# Altium PCB PCB12_sensor.PcbDoc
Units mm, origin at the board's own origin, x right, y up, seen from the top; angles counter-clockwise.
Board outline 87.5 x 87.5 mm, 2 copper layers (Top Layer, Bottom Layer); 47 components, 37 nets, 142 pads, 50 vias.
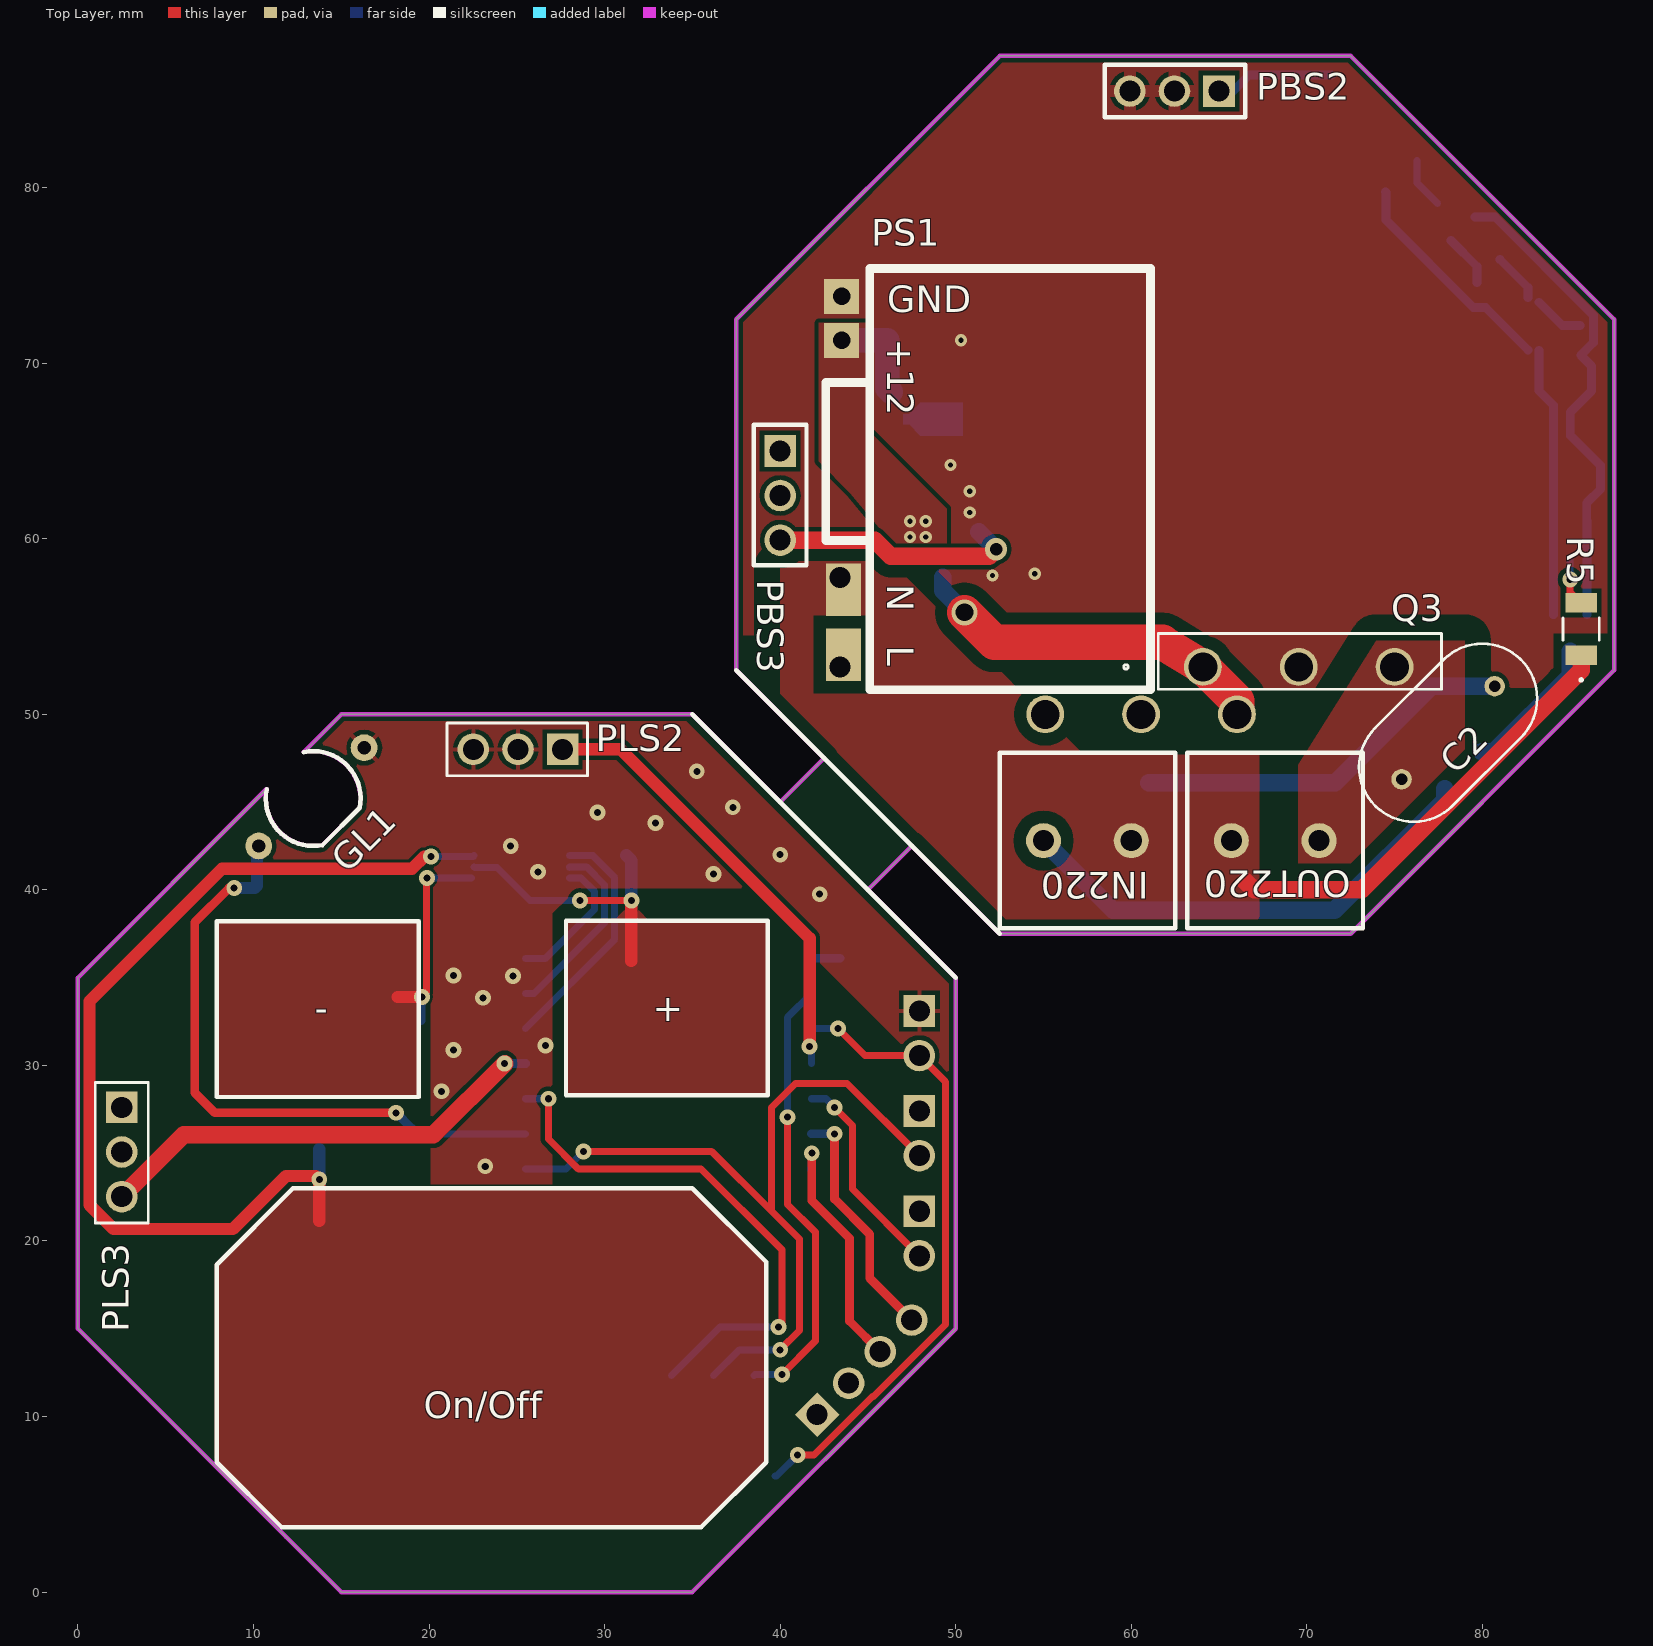
[diagram p0: Top Layer view]
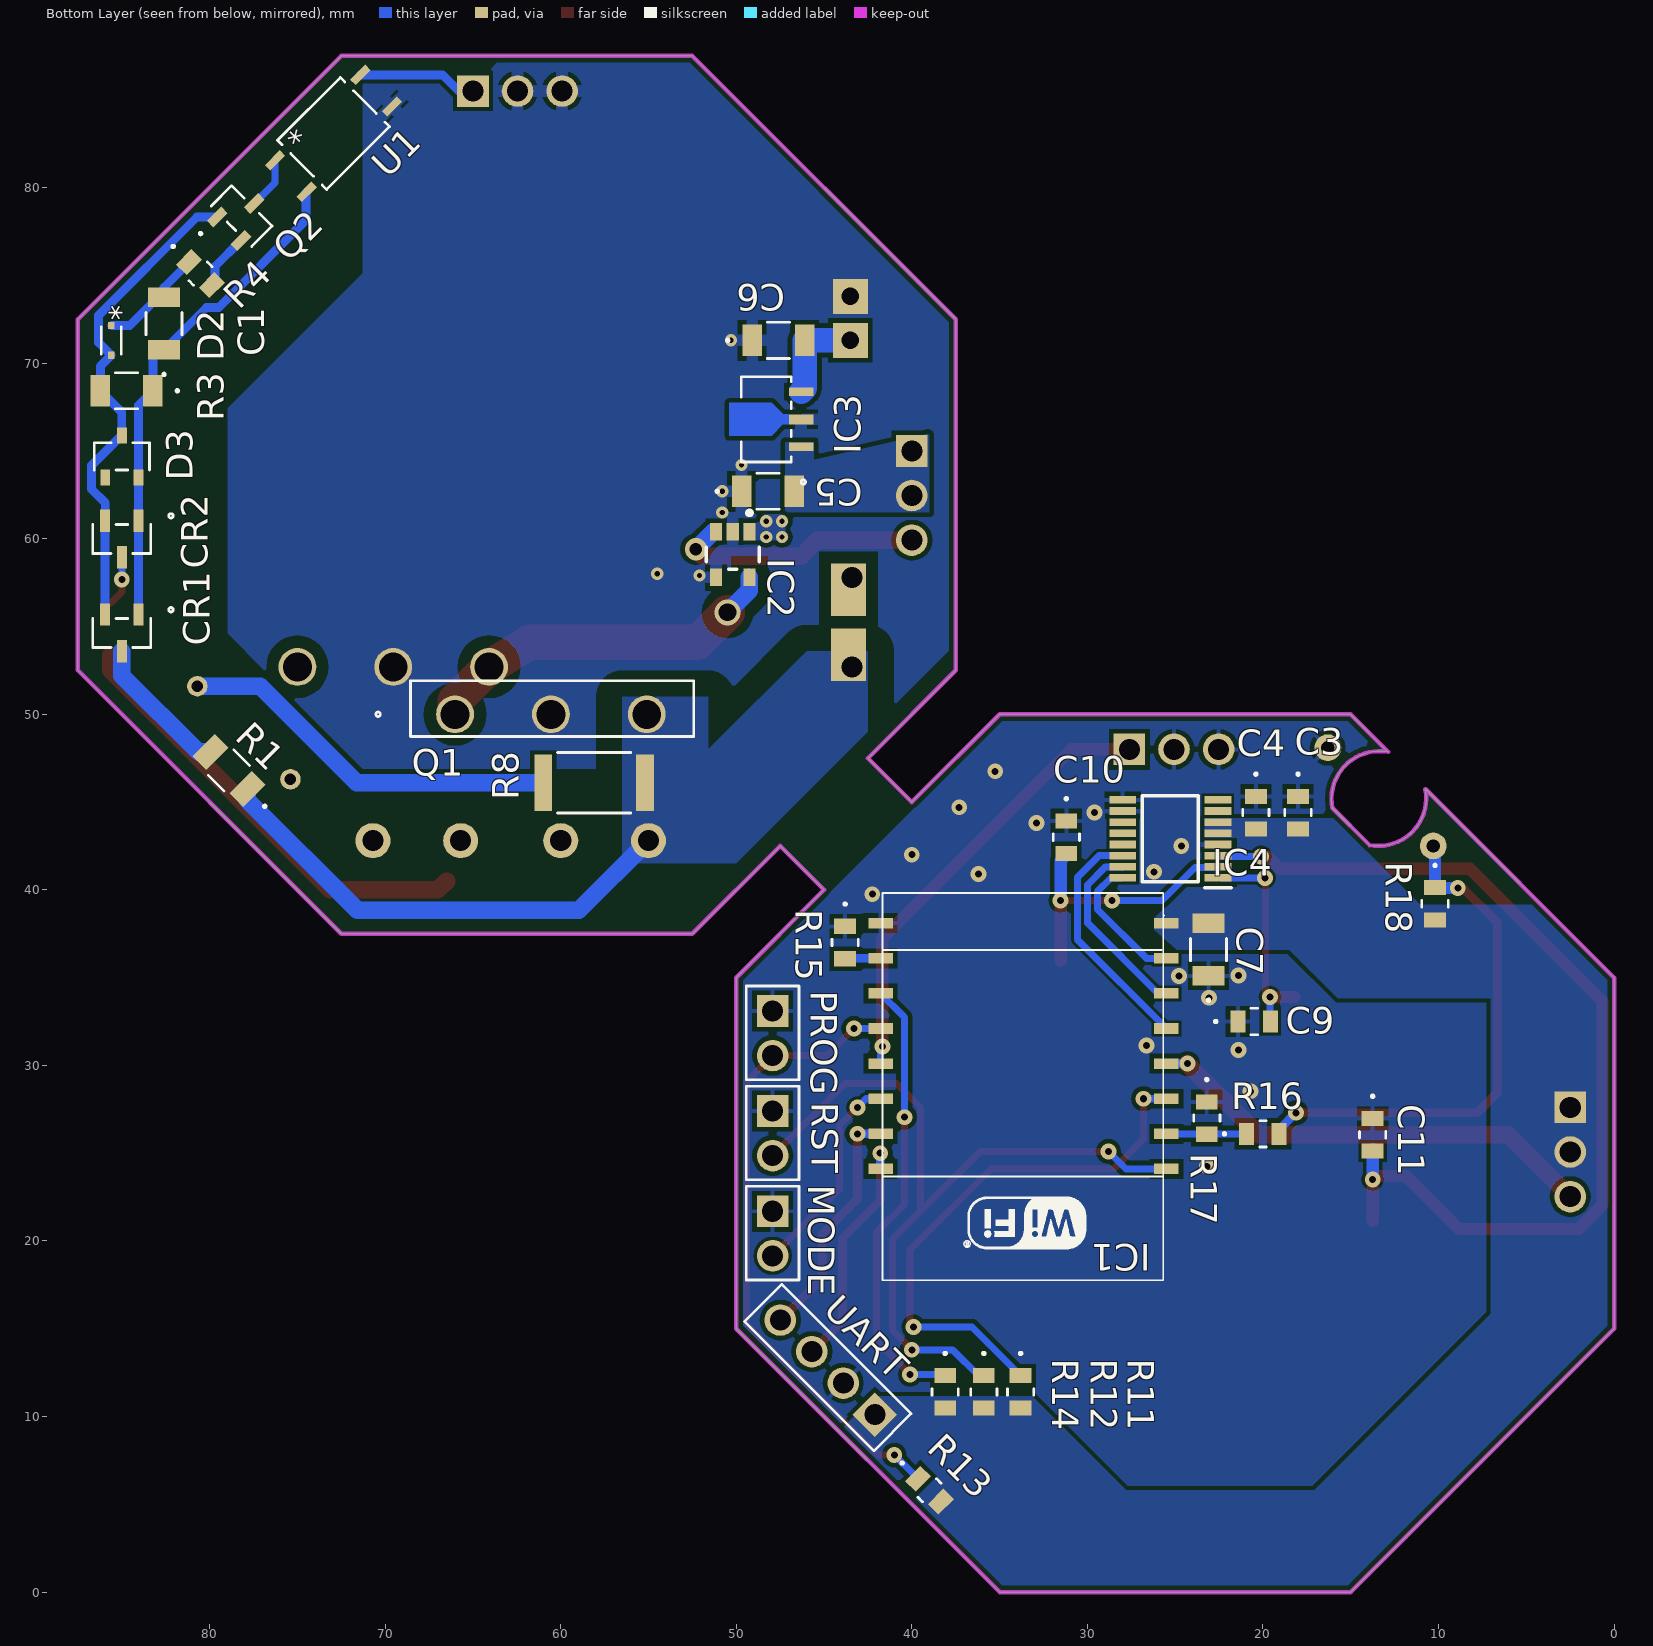
[diagram p1: Bottom Layer view, seen from below]
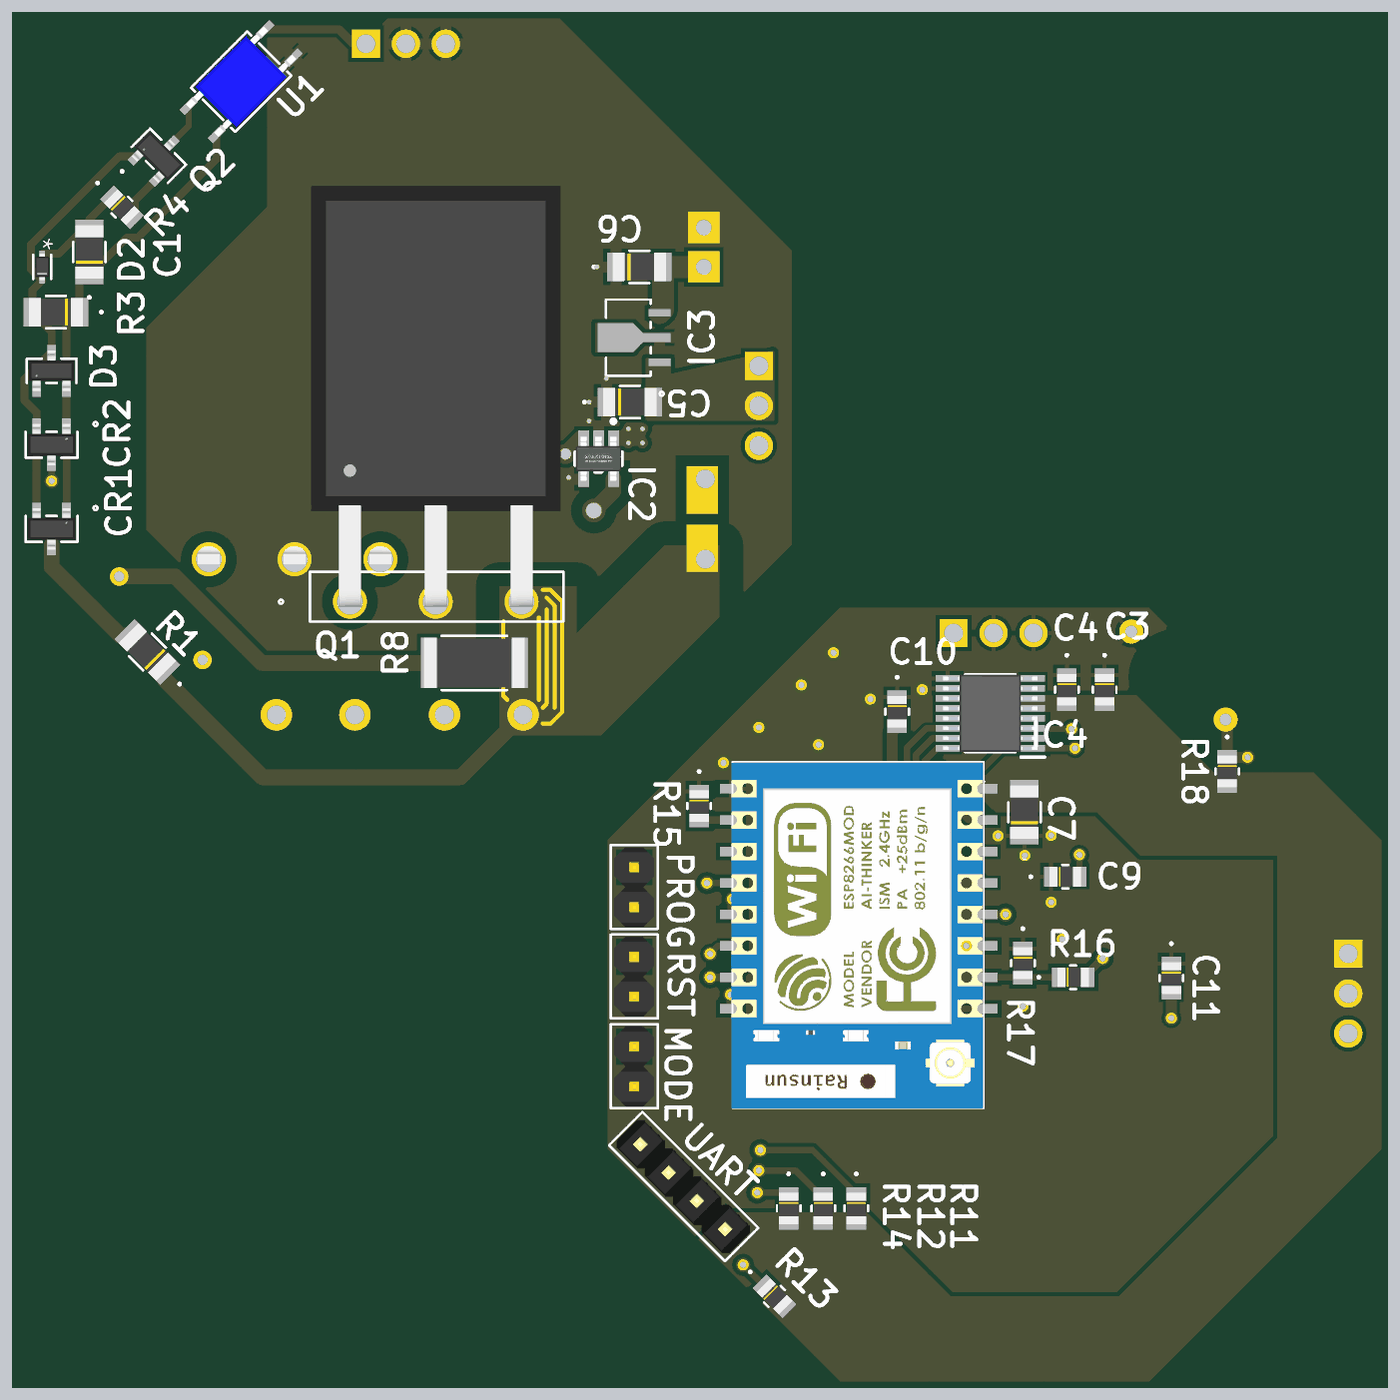
[diagram p2: 3D render of the assembled board from below, using the file's embedded part models]

## Layer stack, top to bottom
Top Solder: solder mask 0.0102, Solder Resist, Dk 3.5
Top Layer: signal copper 0.0356
Dielectric 1: dielectric 0.32, FR-4, Dk 4.8
Bottom Layer: signal copper 0.0356
Bottom Solder: solder mask 0.0102, Solder Resist, Dk 3.5

## Board outline
11.875,3.125 0,15 0,35 10.73,45.73 10.748,45.73 ccw(c13.416,45.22) 13.93,42.552 16.048,44.67 ccw(c13.374,45.178) 12.87,47.852 15,49.982 15,50 35,50 40,45 42.5,47.5 37.5,52.5 37.5,72.5 52.5,87.5 72.5,87.5 87.5,72.5 87.5,52.5 72.5,37.5 52.5,37.5 47.5,42.5 45,40 50,35 50,15 35,0 15,0

## Design rules (kind name [scope] priority, off if disabled: settings)
Clearance "Clearance_IC4 Pads" [InPadClass('IC4 Pads')Or InNetClass('IC4 Nets')] p1: gap=0.175
Clearance "Clearance_PS1 pads 0.254" [InPadClass('PS1 Pads')] p2: gap=0.254
Clearance Clearance_0.25 [InPadClass('IC2 Pads')] p3: gap=0.25
Clearance Clearance_Power_Nets_0.7mm [InNetClass('Power_Nets')] p4: gap=0.7 except(1.5: Poly-Poly)
Clearance [All] p5: gap=0.254
ComponentClearance ComponentClearance_1 [InComponent('PS1')] p1: gap=0 collisioncheckmode=3 verticalgap=0.254 showdistances=FALSE
ComponentClearance [All] p2: gap=0.254 collisioncheckmode=3 verticalgap=0.254 showdistances=FALSE
MinimumSolderMaskSliver [All] p1: minsoldermaskwidth=0.15
PolygonConnect PolygonConnect_Via [(ObjectKind = 'Via') And ((Net = 'GNDA') Or (Net = 'VCCA12') Or (Net = 'LOAD_CNTRLA')Or (Net = 'GND') Or (Net ='NetC11_2') Or (Net ='NetC9_2')Or (Net ='NetC10_1'))] p1: connectstyle=Direct reliefconductorwidth=0.254 reliefentries=4 polygonreliefangle="90 Angle" airgapwidth=0.254
PolygonConnect PolygonConnect_PowerPads [(InPadClass('Power Pads')) Or (Net='VCC3.3')] p2: connectstyle=Direct reliefconductorwidth=0.254 reliefentries=4 polygonreliefangle="90 Angle" airgapwidth=0.254
PolygonConnect PolygonConnect_GNDA_0.5 [InNet('GNDA')] p3: connectstyle=Relief reliefconductorwidth=0.7 reliefentries=4 polygonreliefangle="90 Angle" airgapwidth=0.254
PolygonConnect [All] p4: connectstyle=Relief reliefconductorwidth=0.254 reliefentries=4 polygonreliefangle="90 Angle" airgapwidth=0.254
RoutingVias [All] p1: holewidth=0.711 width=1.27 viastyle="Through Hole" minholewidth=0.254 minwidth=0.7 maxholewidth=1 maxwidth=1.524
SilkToSolderMaskClearance [IsPad] p1: minsilkscreentomaskgap=-1 clearancetoexposedcopper=TRUE
SolderMaskExpansion [All] p1: expansion=-1
Width Width_2mm [InNetClass('Power_Nets')] p1: maxlimit=4 minlimit=1 preferedwidth=2
Width Width_1mm [InNetClass('Middle Nets')] p2: maxlimit=1.4 minlimit=0.7 preferedwidth=1
Width [All] p3: maxlimit=1 minlimit=0.254 preferedwidth=0.5
27 further rules are at their usual default settings.

## Classes and differential pairs
net class "IC4 Nets": BTN_DEC BTN_INC BTN_ON MODE NetC9_2 NetC11_2
pad class "IC4 Pads": IC4-1 IC4-2 IC4-3 IC4-4 IC4-5 IC4-6 IC4-7 IC4-8 IC4-9 IC4-10 IC4-11 IC4-12 IC4-13 IC4-14 IC4-15 IC4-16
pad class "Power Pads": C2-1 C5-2 IC2-1 IC2-5 IC3-1 IN220-1 IN220-2 OUT220-1 OUT220-2 PBS3-1 PBS3-2 PBS3-3 PS1-1 PS1-2 PS1-3 PS1-4 Q1-1 Q1-2 Q1-3 Q3-2 Q3-3 R1-1 R5-1 R8-2
pad class "IC2 Pads": IC2-1 IC2-2 IC2-3
net class Power_Nets: L_IN L_OUT N_IN NetIC2_5
net class "Middle Nets": LOAD_CNTRLA NetC2_2 VCCA12

## Components (designator, comment, footprint, x,y, rotation, side; value= is the part's Value field where it differs from the comment)
C1 "1206 0.47u" CAP_X7R_1206_AVX 82.6,72.25 r90 bottom
C2 "CK45-E3AD103ZYGNA (0.01u)" CAP_CK45E3103_TDK 78.048,48.948 r45 top
C3 "105" G-21_MUR 18,44.4 r270 bottom
C4 "106" G-21_MUR 20.4,44.4 r270 bottom
C5 "C-1206 (0.1u)" CAP_X7R_1206_AVX 48.2,62.7 r180 bottom
C6 "C-1206 0.33u" CAP_X7R_1206_AVX 47.6,71.3 r180 bottom
C7 "C-1206 0.47u" CAP_X7R_1206_AVX 23.1,36.6 r90 bottom
C9 "30pF" G-21_MUR 20.5,32.5 r180 bottom
C10 "30pF" G-21_MUR 31.2,43 r270 bottom
C11 "30pF" G-21_MUR 13.75,26.05 r270 bottom
CR1 "BAV99LT1G" SOT-23_TO-236_318-08_ONS 85,54.634 r0 bottom
CR2 "BAV99LT1G" SOT-23_TO-236_318-08_ONS 85,59.984 r0 bottom
D2 "1N4148WT" CR_SOD-523F_ONS 85.6,71.3 r270 bottom
D3 "BZX84C22VLFHT116" TRANS_BZX84_ROM 85,64.694 r180 bottom
GL1 "GL5516" GL5516 13.4,45.2 r315 top
IC1 "ESP8266 ESP-07" "ESP8266 ESP-07" 25.678,18.567 r90 bottom
IC2 "FAN3100TSX" ON_Semi_527AH_0 50.2,59.1 r0 bottom
IC3 "L78L33ABUTR" SOT-89_STM 48.3,66.8 r90 bottom
IC4 "TTP224B-BSBN" SOP64P600X175-16N 25.275,42.9 r0 bottom
IN220 "300-021-12" 300-021-12#1 62.5,47.8 r180 top
MODE "PLS-2" PLS-2 48,19.15 r270 bottom
OUT220 "300-021-12" 300-021-12#2 73.2,47.8 r180 top
PBS2 "PBS-3" PBS-3 65,85.5 r180 top
PBS3 "PBS-3" PBS-3 40,65 r270 top
PLS2 "PLS-3" PLS-3 25,48 r180 top
PLS3 "PLS-3" PLS-3 2.5,25 r270 top
PROG "PLS-2" PLS-2 48,30.56 r270 bottom
PS1 "220to12" 220to12 45.1,77.4 r270 top
Q1 "IRFP460APBF" TO-247AC_VIS#1 66.02,50 r180 bottom
Q2 "BC807-25,215" SOT23_BC807_NEX 78.175,78.375 r225 bottom
Q3 "IRFP460APBF" TO-247AC_VIS#2 64.08,52.7 r0 top
R1 "120k" CAP_X7R_1206_AVX 78.9,46.8 r45 bottom
R3 "330k" CAP_X7R_1206_AVX 84.725,68.425 r0 bottom
R4 "220" G-21_MUR 80.525,75.1 r225 bottom
R5 "120k" CAP_X7R_1206_AVX 85.625,54.85 r90 top
R8 "220" RES2512_TL_TYCO_TYC 58.1,46.1 r180 bottom
R11 "10k" G-21_MUR 33.8,11.4 r270 bottom
R12 "10k" G-21_MUR 35.9,11.4 r270 bottom
R13 "10k" G-21_MUR 39,5.8 r225 bottom
R14 "10k" G-21_MUR 38.1,11.4 r270 bottom
R15 "10k" G-21_MUR 43.8,37 r270 bottom
R16 "220" G-21_MUR 20,26.1 r180 bottom
R17 "100" G-21_MUR 23.2,27 r270 bottom
R18 "10k" G-21_MUR 10.2,39.2 r270 bottom
RST "PLS-2" PLS-2 48,24.86 r270 bottom
U1 "TLP183(GR-TPL,E" "4pin SO6_TOS" 72.943,83.086 r135 bottom
UART "PLS-4" PLS-4 42.104,10.104 r45 bottom

## Footprints (in the part's own frame and the unit in brackets; to place one, negate y for a bottom-side part, rotate by r counter-clockwise, add the part's x,y. Pads: shape width x height; smd on the part's side, far side on the other; paste and mask are expansions set on the pad)
"4pin SO6_TOS" [mil]
  rect 47.56x17.97 smd paste+0 mask+0: 1(-135.5,50) 3(-135.5,-50) 4(135.5,-50) 6(135.5,50)
  silkscreen extent -100,-78 100,78, body extent -138,-73 138,73, height 87
220to12 [mm]
  rect 3x2 hole 1.2 copper offset -0.7,0.2 mask+0: 1(24.7,-1.7)
  rect 3x2 hole 1.2 copper offset 0.7,0.2 mask+0: 2(19.6,-1.7)
  rect 2x2 hole 1 mask+0: 3(6.1,-1.6) 4(3.6,-1.6)
  silkscreen extent 2,-2.5 26,16
300-021-12#1 [mm]
  round 2 hole 1.2 paste+0 mask+0: 1(2.5,5)
  round 2 hole 1.2 mask+0: 2(7.5,5)
  silkscreen extent 0,0 10,10
300-021-12#2 [mm]
  round 2 hole 1.2 mask+0: 1(2.5,5)
  round 2 hole 1.2 paste+0 mask+0: 2(7.5,5)
  silkscreen extent 0,0 10,10
CAP_CK45E3103_TDK [mil]
  round 46 hole 26 mask+0: 1(-147.64,0) 2(147.64,0)
  silkscreen extent -231,-123 232,123, body extent 0,0 10,10, height 10
CAP_X7R_1206_AVX [mil]
  rect 43.78x71 smd paste+0 mask+0: 1(-58.89,0) 2(58.89,0)
  silkscreen extent -117,-40 25,40, body extent -67,-36 67,36, height 50
CR_SOD-523F_ONS [mil]
  rect 15.87x14 smd paste+0 mask+0: 1(-33.44,0) 2(33.44,0)
  silkscreen extent -31,-23 31,23, body extent -34,-17 34,17, height 28
"ESP8266 ESP-07" [mm] "ESP8266 ESP-01"
  rect 0.6x1.4 smd: 1(5.533,-0.178) 2(7.533,-0.178) 3(9.533,-0.178) 4(11.533,-0.178) 5(13.533,-0.178) 6(15.533,-0.178) 7(17.533,-0.178) 8(19.533,-0.178) 9(19.533,16.104) 10(17.533,16.104) 11(15.533,16.104) 12(13.533,16.104) 13(11.533,16.104) 14(9.533,16.104) 15(7.533,16.104) 16(5.533,16.104)
  silkscreen extent -0.8,-0.05 21.25,16, body extent -0.81,0.07 21.19,16.07, height 3.5
G-21_MUR [mil]
  rect 33.78x49 smd paste+0 mask+0: 1(-36.39,0) 2(36.39,0)
  silkscreen extent -89,-30 7,30, body extent -39,-24 39,24, height 57
GL5516 [mil]
  round 60 hole 30 mask+0: 1(-11.14,-161.47) 2(0,161.47)
  silkscreen extent -88,-106 89,106
ON_Semi_527AH_0 [mm]
  rect 0.7x1 smd paste+0 mask+0: 1(-0.95,-1.3) 2(0,-1.3) 3(0.95,-1.3) 4(0.95,1.3) 5(-0.95,1.3)
  silkscreen extent -1.5,-2.5 1.5,0.85, body extent -1.45,-1.4 1.45,1.4, height 1.5
PBS-3 [mm]
  rect 1.8x1.8 hole 1.2 mask+0: 1(0,0)
  round 1.8 hole 1.2 mask+0: 2(2.54,0) 3(5.08,0)
  silkscreen extent -1.5,-1.5 6.5,1.5
PLS-2 [mm]
  rect 1.8x1.8 hole 1.2 mask+0: 1(-2.54,0.075)
  round 1.8 hole 1.2 mask+0: 2(0,0.075)
  silkscreen extent -3.96,-1.43 1.38,1.57, body extent -3.81,-1.19 1.27,1.35, height 8.54
PLS-3 [mm]
  rect 1.8x1.8 hole 1.2 mask+0: 1(-2.605,-0.005)
  round 1.8 hole 1.2 mask+0: 2(-0.065,-0.005) 3(2.475,-0.005)
  silkscreen extent -4.03,-1.5 3.97,1.5
PLS-4 [mm]
  rect 1.8x1.8 hole 1.2 mask+0: 1(0,0)
  round 1.8 hole 1.2 mask+0: 2(2.54,0) 3(5.08,0) 4(7.62,0)
  silkscreen extent -1.42,-1.5 9.01,1.5, body extent -1.28,-1.24 8.88,1.3, height 9.2
RES2512_TL_TYCO_TYC [mil]
  rect 39.87x126 smd paste+0 mask+0: 1(-113.94,0) 2(113.94,0)
  silkscreen extent -82,-68 82,68, body extent -126,-63 126,63, height 24
SOP64P600X175-16N [mm]
  rect 1.525x0.435 smd: 1(-2.712,2.222) 2(-2.712,1.588) 3(-2.712,0.952) 4(-2.712,0.318) 5(-2.712,-0.318) 6(-2.712,-0.952) 7(-2.712,-1.588) 8(-2.712,-2.222) 9(2.712,-2.222) 10(2.712,-1.588) 11(2.712,-0.952) 12(2.712,-0.318) 13(2.712,0.318) 14(2.712,0.952) 15(2.712,1.588) 16(2.712,2.222)
  silkscreen extent -3.47,-2.45 1.6,2.79, body extent -3,-2.45 3,2.45, height 1.75
SOT23_BC807_NEX [mil]
  rect 21.36x45.56 smd paste+0 mask+0: 1(-37.5,-40) 2(37.5,-40) 3(0,40)
  silkscreen extent -64,-96 64,32, body extent -59,-49 59,49, height 43
SOT-23_TO-236_318-08_ONS [mil]
  rect 22.36x49.56 smd paste+0 mask+0: 1(-37.4,-41) 2(37.4,-41) 3(0,41)
  silkscreen extent -115,-57 65,32, body extent -60,-52 60,52, height 44
SOT-89_STM [mil]
  rect 19x54.87 smd paste+0 mask+0: 1(-61.81,-78.44) 3(61.81,-78.44)
  rect 22x54.87 smd paste+0 mask+0: 2(0,-78.44)
  Top Layer region: 11,-51 -11,-51 -11,-37 -36.98,-12.98 -36.98,82.78 36.98,82.78 36.98,-12.98 11,-37.98
  silkscreen extent -145,-88 96,56, body extent 0,0 10,10, height 10
TO-247AC_VIS#1 [mil]
  round 85 hole 65 mask+0: 1(0,0) 2(214.96,0) 3(429.92,0)
  silkscreen extent -178,-50 535,75, body extent -98,-14 527,1041, height 211
TO-247AC_VIS#2 [mil]
  round 85 hole 65 mask+0: 1(0,0) 2(214.96,0)
  round 85 hole 65 paste+0 mask+0: 3(429.92,0)
  silkscreen extent -178,-50 535,75, body extent -98,-14 527,1041, height 211
TRANS_BZX84_ROM [mil]
  rect 22x36 smd paste+0 mask+0: 1(-37.4,-47) 2(37.4,-47) 3(0,47)
  silkscreen extent -62,-31 62,31, body extent -57,-51 57,51, height 45

## Part data
C1 C5 C6 C7: library part C-1206, "No Description Available"
C2: library part CK45-E3AD103ZYGNA, "No Description Available"
C3 C4 C9 C10 C11: library part cap0805, "cap0805"
CR1 CR2 D2 D3 IC3 Q1 Q2 Q3 U1: "No Description Available"
IC4: "Integrated Circuit"
R1 R3 R5: library part R-1206, "R-1206"
R4 R11 R12 R13 R14 R15 R16 R17 R18: library part res0805, "Resistor 0805"
R8: library part R-2512, "No Description Available"

## Via types
v1: diameter 0.9, hole 0.4, Top Layer to Bottom Layer, 38 vias
v2: diameter 0.7, hole 0.3, Top Layer to Bottom Layer, 10 vias
v3: diameter 1.5, hole 1, Top Layer to Bottom Layer, 1 vias
v4: diameter 1.27, hole 0.711, Top Layer to Bottom Layer, 1 vias

## Nets (pads, with @x,y where several pads share a name; then routed paths per layer and width w, separated by ;. In a path a pad name is that pad's centre, name@x,y a point inside that pad or via, vN(x,y) a via of type N, cw(c..) or ccw(c..) an arc to the next point about the centre after c; other vN are vias at no path point)
ADC: IC1.2 R16.1 R17.2 | length 4.6
  Bottom Layer w0.4: R16.1@20.875,26.1 R16.1 IC1.2
BTN_DEC: IC1.7 IC4.16 | length 7.9
  Bottom Layer w0.4: IC1.7 26.642,36.1 29.425,38.883 29.425,39.917 28.664,40.678 IC4.16
BTN_INC: IC1.6 IC4.15 | length 10.8
  Bottom Layer w0.4: IC1.6 25.975,34.1 30,38.125 30,40.275 28.963,41.312 IC4.15 IC4.15@27.987,41.271
BTN_ON: IC1.5 IC4.14 | length 13.8
  Bottom Layer w0.4: IC1.5 30.575,37.175 30.575,40.7 29.327,41.948 IC4.14
DETECT_LA: CR1.3 R1.2 | length 8.2
  Bottom Layer w1: R1.2 80.658,47.858 85,52.2 CR1.3
DETECT_NA: CR2.3 R5.2 | length 2.9
  Top Layer w0.4: v1(85,57.678) 85,56.971 R5.2
  Bottom Layer w0.4: v1(85,57.678) CR2.3
DETECT_NULL: IC1.13 PLS2.1 | length 25.7
  Top Layer w0.7: PLS2.1 30.912,48.005 41.677,37.24 v1(41.677,31.077)
  Bottom Layer w0.4: v1(41.677,31.077) 41.781,30.972 IC1.13@41.781,30.1
DETECT_NULLA: PBS2.1 U1.6 | length 6.8
  Bottom Layer w0.5: PBS2.1 65.8,85.5 66.717,86.417 U1.6
GND: C3.1 C4.1 C7.1 C9.1 C10.1 C11.1 GL1.2 IC1.9 IC4.4 IC4.9 IC4.10 MODE.1 PLS2.2 PLS2.3 PROG.1 R15.1 R17.1 RST.1 UART.2
  other v1: 23.2,24.25 20.7,28.525 21.4,30.875 26.625,31.125 23.075,33.85 24.775,35.1 21.4,35.125 42.25,39.75 36.2,40.9 26.2,41.025 40,42 24.65,42.5 32.9,43.8 29.6,44.4 37.3,44.7 35.25,46.75
GNDA: C5.1 C6.1 IC2.2 IC2.4 IC3.2 PBS2.2 PBS2.3 PS1.4 Q1.2 Q3.2 U1.4
  other v2: 52.1,57.9 54.5,58 50.8,61.5 50.8,62.7 49.7,64.2 50.3,71.3
L_IN: IN220.2 PS1.1 Q1.3 R1.1 R8.2 | length 27.7
  Bottom Layer w1: IN220.2 58.973,38.827 71.577,38.827 77.85,45.1 R1.1@77.85,45.75
L_OUT: C2.1 OUT220.1 Q3.3
LOAD_CNTRL: IC1.4 PLS3.3 | length 26.1
  Top Layer w1: PLS3.3 6.02,26.05 20.25,26.05 v1(24.3,30.1)
  Bottom Layer w0.5: v1(24.3,30.1) 25.5,30.1 IC1.4@25.5,30.094
LOAD_CNTRLA: IC2.3 PBS3.3 | length 14.3
  Top Layer w1: PBS3.3 45.376,59.92 46.3,58.996 51.896,58.996 v4(52.3,59.4)
  Bottom Layer w1: IC2.3@51.3,60.4 v4(52.3,59.4)
MODE: IC1.14 MODE.2 | length 12
  Top Layer w0.4: v1(43.1,27.6) 44.125,26.575 44.125,22.95 MODE.2
  Bottom Layer w0.4: IC1.14 42.6,28.1 v1(43.1,27.6)
N_IN: IN220.1 OUT220.2 PS1.2 R5.1 | length 25.4
  Top Layer w1: 66.5,40.5 67,40 73.123,40 85.625,52.502 R5.1
NetC1_1: C1.1 CR1.1 CR2.1 D3.2 R3.1 U1.3 | length 28.2
  Bottom Layer w0.5: U1.3 74.515,79.718 74.515,78.145 79.487,73.173 80.182,73.173 C1.1 ; C1.1@83.225,70.729 83.225,68.429 R3.1 84.05,67.604 D3.2 CR2.1 84.046,61.021 84.046,55.679 CR1.1
NetC1_2: C1.2 D2.1 R4.1 | length 5.7
  Bottom Layer w0.5: R4.1@81.004,75.904 82.6,74.308 C1.2 ; C1.2@83.225,73.475 84.551,72.149 D2.1@85.571,72.149
NetC2_2: C2.2 R8.1 | length 22
  Bottom Layer w1: R8.1 71.624,46.1 77.127,51.603 C2.2@80.703,51.603
NetC9_2: C9.2 IC4.1 | length 12.3
  Top Layer w0.4: v1(19.6,33.9) 19.85,34.15 19.85,40.675 v1(19.881,40.675)
  Top Layer w0.7: 18.2,33.9 v1(19.6,33.9)
  Bottom Layer w0.4: C9.2 19.6,32.525 v1(19.6,33.9) v1@19.575,33.875 ; v1(19.881,40.675) IC4.1@22.41,40.675
NetC10_2: C10.2 IC4.2 | length 15.9
  Top Layer w0.4: v1(28.6,39.4) v1(31.525,39.4)
  Top Layer w0.7: 31.525,35.95 v1(31.525,39.4)
  Bottom Layer w0.4: IC4.2 22.605,41.271 23.879,41.271 25.75,39.4 v1(28.6,39.4)
  Bottom Layer w0.7: C10.2@31.225,41.975 31.525,41.675 v1(31.525,39.4)
NetC11_2: C11.2 IC4.3 | length 56
  Top Layer w0.7: 13.75,21.15 v1(13.75,23.5) 13.55,23.7 11.85,23.7 8.825,20.675 2.025,20.675 0.652,22.048 0.652,33.652 8.2,41.2 19.027,41.2 19.732,41.905 v1(20.102,41.905)
  Bottom Layer w0.4: v1(20.102,41.905) 22.52,41.905 IC4.3
  Bottom Layer w0.7: v1(13.75,23.5) C11.2 C11.2@13.75,25.225
NetCR1_2: CR1.2 CR2.2 D2.2 D3.3 Q2.1 R3.2 | length 28.2
  Bottom Layer w0.5: Q2.1 80.72,78.33 86.325,72.725 86.325,71.176 D2.2 86.221,69.83 R3.2 85,67.204 D3.3 85.012,65.888 86.733,64.166 86.733,62.834 85.95,62.051 CR2.2 85.954,61.021 85.954,55.679 CR1.2
NetGL1_1: GL1.1 R16.2 R18.1 | length 30.3
  Top Layer w0.5: v1(8.9,40.1) 8.6,40.1 6.65,38.15 6.65,28.45 7.8,27.3 v1(18.125,27.3) ; GL1.1 GL1.1@10.58,42.78
  Bottom Layer w0.5: R18.1@10.075,40.1 R18.1@10.2,40.225 ; GL1.1@10.2,42.4 GL1.1 ; v1(18.125,27.3) 19.025,26.4 R16.2@19.025,26.1
  Bottom Layer w0.7: v1(8.9,40.1) R18.1@10.075,40.1 ; R18.1@10.2,40.225 GL1.1@10.2,42.4
NetIC1_3: IC1.3 R11.1 | length 31.2
  Top Layer w0.4: v1(26.8,28.1) 26.8,25.8 28.5,24.1 35.5,24.1 40.1,19.5 40.1,15.3 v1(39.9,15.1)
  Bottom Layer w0.4: IC1.3 v1(26.8,28.1) ; R11.1 36.575,15.1 v1(39.9,15.1)
NetIC1_10: IC1.10 R15.2 | length 1.6
  Bottom Layer w0.5: IC1.10 R15.2@43.404,36.1
NetIC1_11: IC1.11 R14.1 | length 25.3
  Top Layer w0.4: v1(40.1,12.4) 42,14.3 42,20.5 40.425,22.075 v1(40.425,27.05)
  Bottom Layer w0.4: R14.1@38.5,12.325 38.575,12.4 v1(40.1,12.4) ; v1(40.425,27.05) 40.425,32.74 40.452,32.767 40.45,32.769 IC1.11
NetIC2_5: IC2.5 Q1.1 Q3.1 | length 20.7
  Top Layer w2: v3(50.5,55.8) 52.2,54.1 61.777,54.1 Q3.1 66.02,50.76 Q1.1
  Bottom Layer w1: IC2.5 49.25,57.05 v3(50.5,55.8)
NetQ2_2: Q2.2 R4.2 | length 3
  Bottom Layer w0.5: Q2.2 79.696,75.507 R4.2@79.696,74.596
NetQ2_3: Q2.3 U1.1 | length 2.9
  Bottom Layer w0.4: U1.1 76.275,80.275 Q2.3
PROG: IC1.12 PROG.2 R13.1 | length 36
  Top Layer w0.4: v1(41,7.8) 41.921,7.8 45.254,11.133 45.311,11.133 49.419,15.241 49.419,29.066 PROG.2 44.84,30.56 v1(43.3,32.1)
  Bottom Layer w0.4: R13.1@39.7,6.6 39.8,6.6 v1(41,7.8) ; IC1.12 v1(43.3,32.1)
RST: IC1.1 R12.1 RST.2 | length 45.9
  Top Layer w0.4: v1(28.8,25.1) 36.1,25.1 39.5,21.7 ; v1(40,13.8) 41.1,14.9 41.1,20.1 39.5,21.7 ; RST.2 43.81,28.975 40.875,28.975 39.5,27.6 39.5,21.7
  Bottom Layer w0.4: IC1.1 27.8,24.1 v1(28.8,25.1) ; R12.1@36.2,12.325 37.675,13.8 v1(40,13.8)
RX: IC1.15 UART.4 | length 13.7
  Top Layer w0.5: v1(43.1,26.1) 43.1,22.387 45.1,20.387 45.1,17.884 UART.4
  Bottom Layer w0.5: IC1.15 v1(43.1,26.1)
TX: IC1.16 UART.3 | length 13.8
  Top Layer w0.5: v1(41.8,25) 41.8,22.3 43.95,20.15 43.95,15.442 UART.3
  Bottom Layer w0.5: IC1.16 41.8,24.119 v1(41.8,25)
VCC3.3: C3.2 C4.2 C7.2 IC1.8 IC4.5 IC4.6 PLS3.1 PLS3.2 R11.2 R12.2 R13.2 R14.2 R18.2 UART.1
VCCA3.3: C5.2 IC3.1 PBS3.1 PBS3.2
VCCA12: C6.2 IC2.1 IC3.3 PS1.3 | length 5.6
  Bottom Layer w1.4: PS1.3 C6.2 46.104,68.574 IC3.3
  other v2: 47.4,60.1 48.3,60.1 47.4,61 48.3,61
pads on no net: D3.1 IC4.7 IC4.8 IC4.11 IC4.12 IC4.13

## Polygon pours and split planes (outlines as drawn)
GND on Bottom Layer "BOOTOM_GND" (solid, pour order 114): 15,50 34.5,50 50,34.5 50,15 35,0 15,0 5.5,9.5 3.75,11.25 3.75,38.75
VCC3.3 on Bottom Layer "BOTTOM_VCC3.3" (solid, pour order 74): 0,15 15,0 35,0 44.15,9.15 42.161,11.139 33.139,11.139 27.8,5.8 17.088,5.8 7.025,15.863 7.025,33.831 15.731,33.831 18.5,36.6 24.917,36.6 26.2,37.738 26.2,38.384 24.434,40.15 21.45,40.15 21.45,42.975 23.325,42.975 23.325,44.075 20.35,44.075 15.96,44.075 11.035,39.15 4.15,39.15 0,35
VCCA12 on Bottom Layer "Bottom VCCA12" (solid, pour order 56): 49.6,62.9 49.2,62.9 48.7,63.4 47,63.4 47,61.7 49.6,61.7 49.6,61.9
VCCA3.3 on Bottom Layer "Bottom VCCA3.3" (solid, pour order 42): 39,66 39,61.5 40.9,61.5 47.2,61.5 47.2,63.4 47.2,65.5 45.6,65.5 45.6,64.5
L_IN on Bottom Layer "Bottom L_IN" (solid, pour order 62): 51.6,51 56.5,51 56.5,41.7 56.5,41.5 51.5,41.5 50,41.5 42.5,49 42.5,53.6 46,53.6 51.6,48 51.6,48.1
GNDA on Bottom Layer "Bottom GNDA" (solid, pour order 68): 71.275,86.75 71.275,75.125 78.977,67.423 78.977,54.602 71.275,46.9 44.6,46.9 37.5,54 37.5,72.5 52.5,87.5 63.25,87.5 64,86.75
VCCA12 on Bottom Layer "Bottom VCCA12" (solid, pour order 70): 49.6,60.9 48.9,60.9 48.4,61.4 46.965,61.403 46.965,59.665 48.665,59.665 48.9,59.9 49.6,59.9
N_IN on Top Layer "Top N_IN" (solid, pour order 60): 67.289,47.7 57.3,47.7 45.6,59.4 40,59.4 40,51.1 53.8,37.3 67.3,37.3
VCCA12 on Top Layer "Top VCCA12" (solid, pour order 36): 42.2,72.3 44.9,72.3 44.9,70 44.9,66.3 48.6,62.6 49.5,61.7 49.5,60.9 49.5,59.6 48.2,59.6 46.5,59.6 44,62.6 42.2,64.4
L_OUT on Top Layer "Top L_OUT" (solid, pour order 64): 73.952,54.2 79,54.2 79,48 72.5,41.5 69.5,41.5 69.5,47.125
GNDA on Top Layer "Top GNDA" (solid, pour order 66): 72.5,87.5 87.5,72.5 87.5,52.5 86.5,51.5 64.697,51.5 61.1,54.511 37.5,54.511 37.5,72.5 52.5,87.5
NetC11_2 on Top Layer "btn" (solid, pour order 90): 39.2,18.7 34.899,23.001 12.101,23.001 7.8,18.7 7.8,16.37 7.8,7.212 11.337,3.675 35.475,3.675 39.2,7.4
NetC10_2 on Top Layer "btn" (solid, pour order 106): 27.8,38.25 30.525,38.25 31.175,38.9 31.875,38.9 32.525,38.25 39.362,38.25 39.362,35 39.362,28.3 27.8,28.3
NetC9_2 on Top Layer "btn" (solid, pour order 108): 19.3,38.196 19.3,28.3 7.811,28.3 7.811,38.196 13.096,38.196 15.704,38.196
GND on Top Layer "TOP_GND" (solid, pour order 116): 15,50 34.5,50 34.5,49.75 50,34.25 50,28.1 38,40.1 28.475,40.1 27.031,38.656 27.031,23.225 20.1,23.225 20.1,39.6 18.075,41.625 6.625,41.625

## Keep-outs
Keep-Out Layer:
  lines w0.254: 37.5,52.5 37.5,72.5 52.5,87.5 72.5,87.5 87.5,72.5 87.5,52.5 72.5,37.5 52.5,37.5 ; 37.5,52.5 37.5,52.5 ; 37.5,52.5 42.5,47.5 40,45 35,50 15,50 15,49.982 12.87,47.852 cw(c13.374,45.178) 16.048,44.67 13.93,42.552 cw(c13.416,45.22) 10.748,45.73 10.73,45.73 0,35 0,15 11.875,3.125 15,0 35,0 50,15 50,35 ; 50,35 50,35 ; 50,35 45,40 47.5,42.5 52.5,37.5 ; 52.5,37.5 52.5,37.5 ; 52.5,37.5 52.5,37.5

## Silkscreen, mask and mechanical layers (free items; w line width, h text height)
Top Overlay:
  lines w0.254: 7.9,17.3 7.9,18.65 12.25,23 35,23 39.2,18.8 39.2,17.4 39.2,11.7 39.2,7.4 35.5,3.7 12.2,3.7 11.6,3.7 7.9,7.4 7.9,11.7 7.9,17.4 ; 35,50 50,35 ; 37.5,52.5 52.5,37.5 ; 7.9,28.2 19.4,28.2 19.4,38.2 7.9,38.2 7.9,28.2 ; 27.8,28.3 39.3,28.3 39.3,38.25 27.8,38.25 27.8,28.3
  text "-" at 13.5,32.5 h1.52
  text "+" at 32.75,32.5 h1.52
  text "On/Off" at 19.7,9.9 h1.52
Top Solder:
  lines w0.254: 58.75,42.25 58.75,41 59.75,40 65.75,40 66,40 67,41 67,42.5 ; 59.25,41.75 59.25,41.25 60,40.5 65.75,40.5 66.5,41.25 66.5,41.75 ; 60.5,41.5 65.25,41.5 ; 60.5,44 60.75,44 65,44 ; 61,42 64.5,42 ; 61.4,43.5 64.5,43.5 ; 61.5,42.5 64,42.5 64.25,42.5 ; 61.5,43 64,43 64.25,43 ; 66,41.5 65.5,41 60.25,41 59.75,41.5 ; 70,44 73.75,47.75 73.75,51.487 ; 70,44.75 73.25,48 73.25,53.5 ; 70,45.75 72.75,48.5 72.75,53.5 ; 70,46.75 72.25,49 72.25,53.5 ; 71,44.25 74.25,47.5 74.25,51.048 ; 71.5,44 74.75,47.25 74.75,50.946 ; 71.75,42 72.5,42 76.25,45.75 76.8,46.3 76.8,52.8 ; 71.925,43.675 74.5,46.25 ; 72.2,43.2 74.6,45.6 ; 72.25,42.5 74.962,45.212 ; 75.25,47.15 75.25,51 ; 75.75,47.275 75.75,51.25 ; 77.25,47 77.25,53.25 ; 77.75,47.5 77.75,53.25 ; 78.25,48.25 78.25,48.5 78.25,53.25 ; 78.75,48.5 78.75,53.25 ; 59.75,41.5 59.75,41.5 ; 74.5,46.25 74.5,46.25 ; 74.962,45.212 74.962,45.213
Bottom Solder:
  lines w0.254: 53,43.25 53,49.75 53.5,50.25 ; 53.5,49.5 53.5,43.5 53.75,43.25 ; 53.75,42.25 53.25,42.25 52.5,43 52.5,43.25 52.5,46.75 52.5,50 53.25,50.75 53.75,50.75 ; 54,43.75 54,44 54,49 ; 56,43.75 56.25,44 56.25,48.75

## Text inside footprints (layer, text, board x,y; h text height)
D2: Mechanical 13 "*" at 86.235,72.011 h1.27 r90; Bottom Overlay "*" at 86.235,73.3 h1.27 r90
PS1: Top Overlay "L" at 46.1,53.9 h1.52 r270; Top Overlay "N" at 46.1,57.4 h1.52 r270; Top Overlay "+12" at 46.1,71.4 h1.52 r270; Top Overlay "GND" at 46.1,72.9 h1.52
U1: Mechanical 13 "*" at 74.955,81.792 h1.27 r315; Bottom Overlay "*" at 74.799,81.972 h1.27 r315